# Altium PCB higgs.PcbDoc (part 14 of 25) (continued)
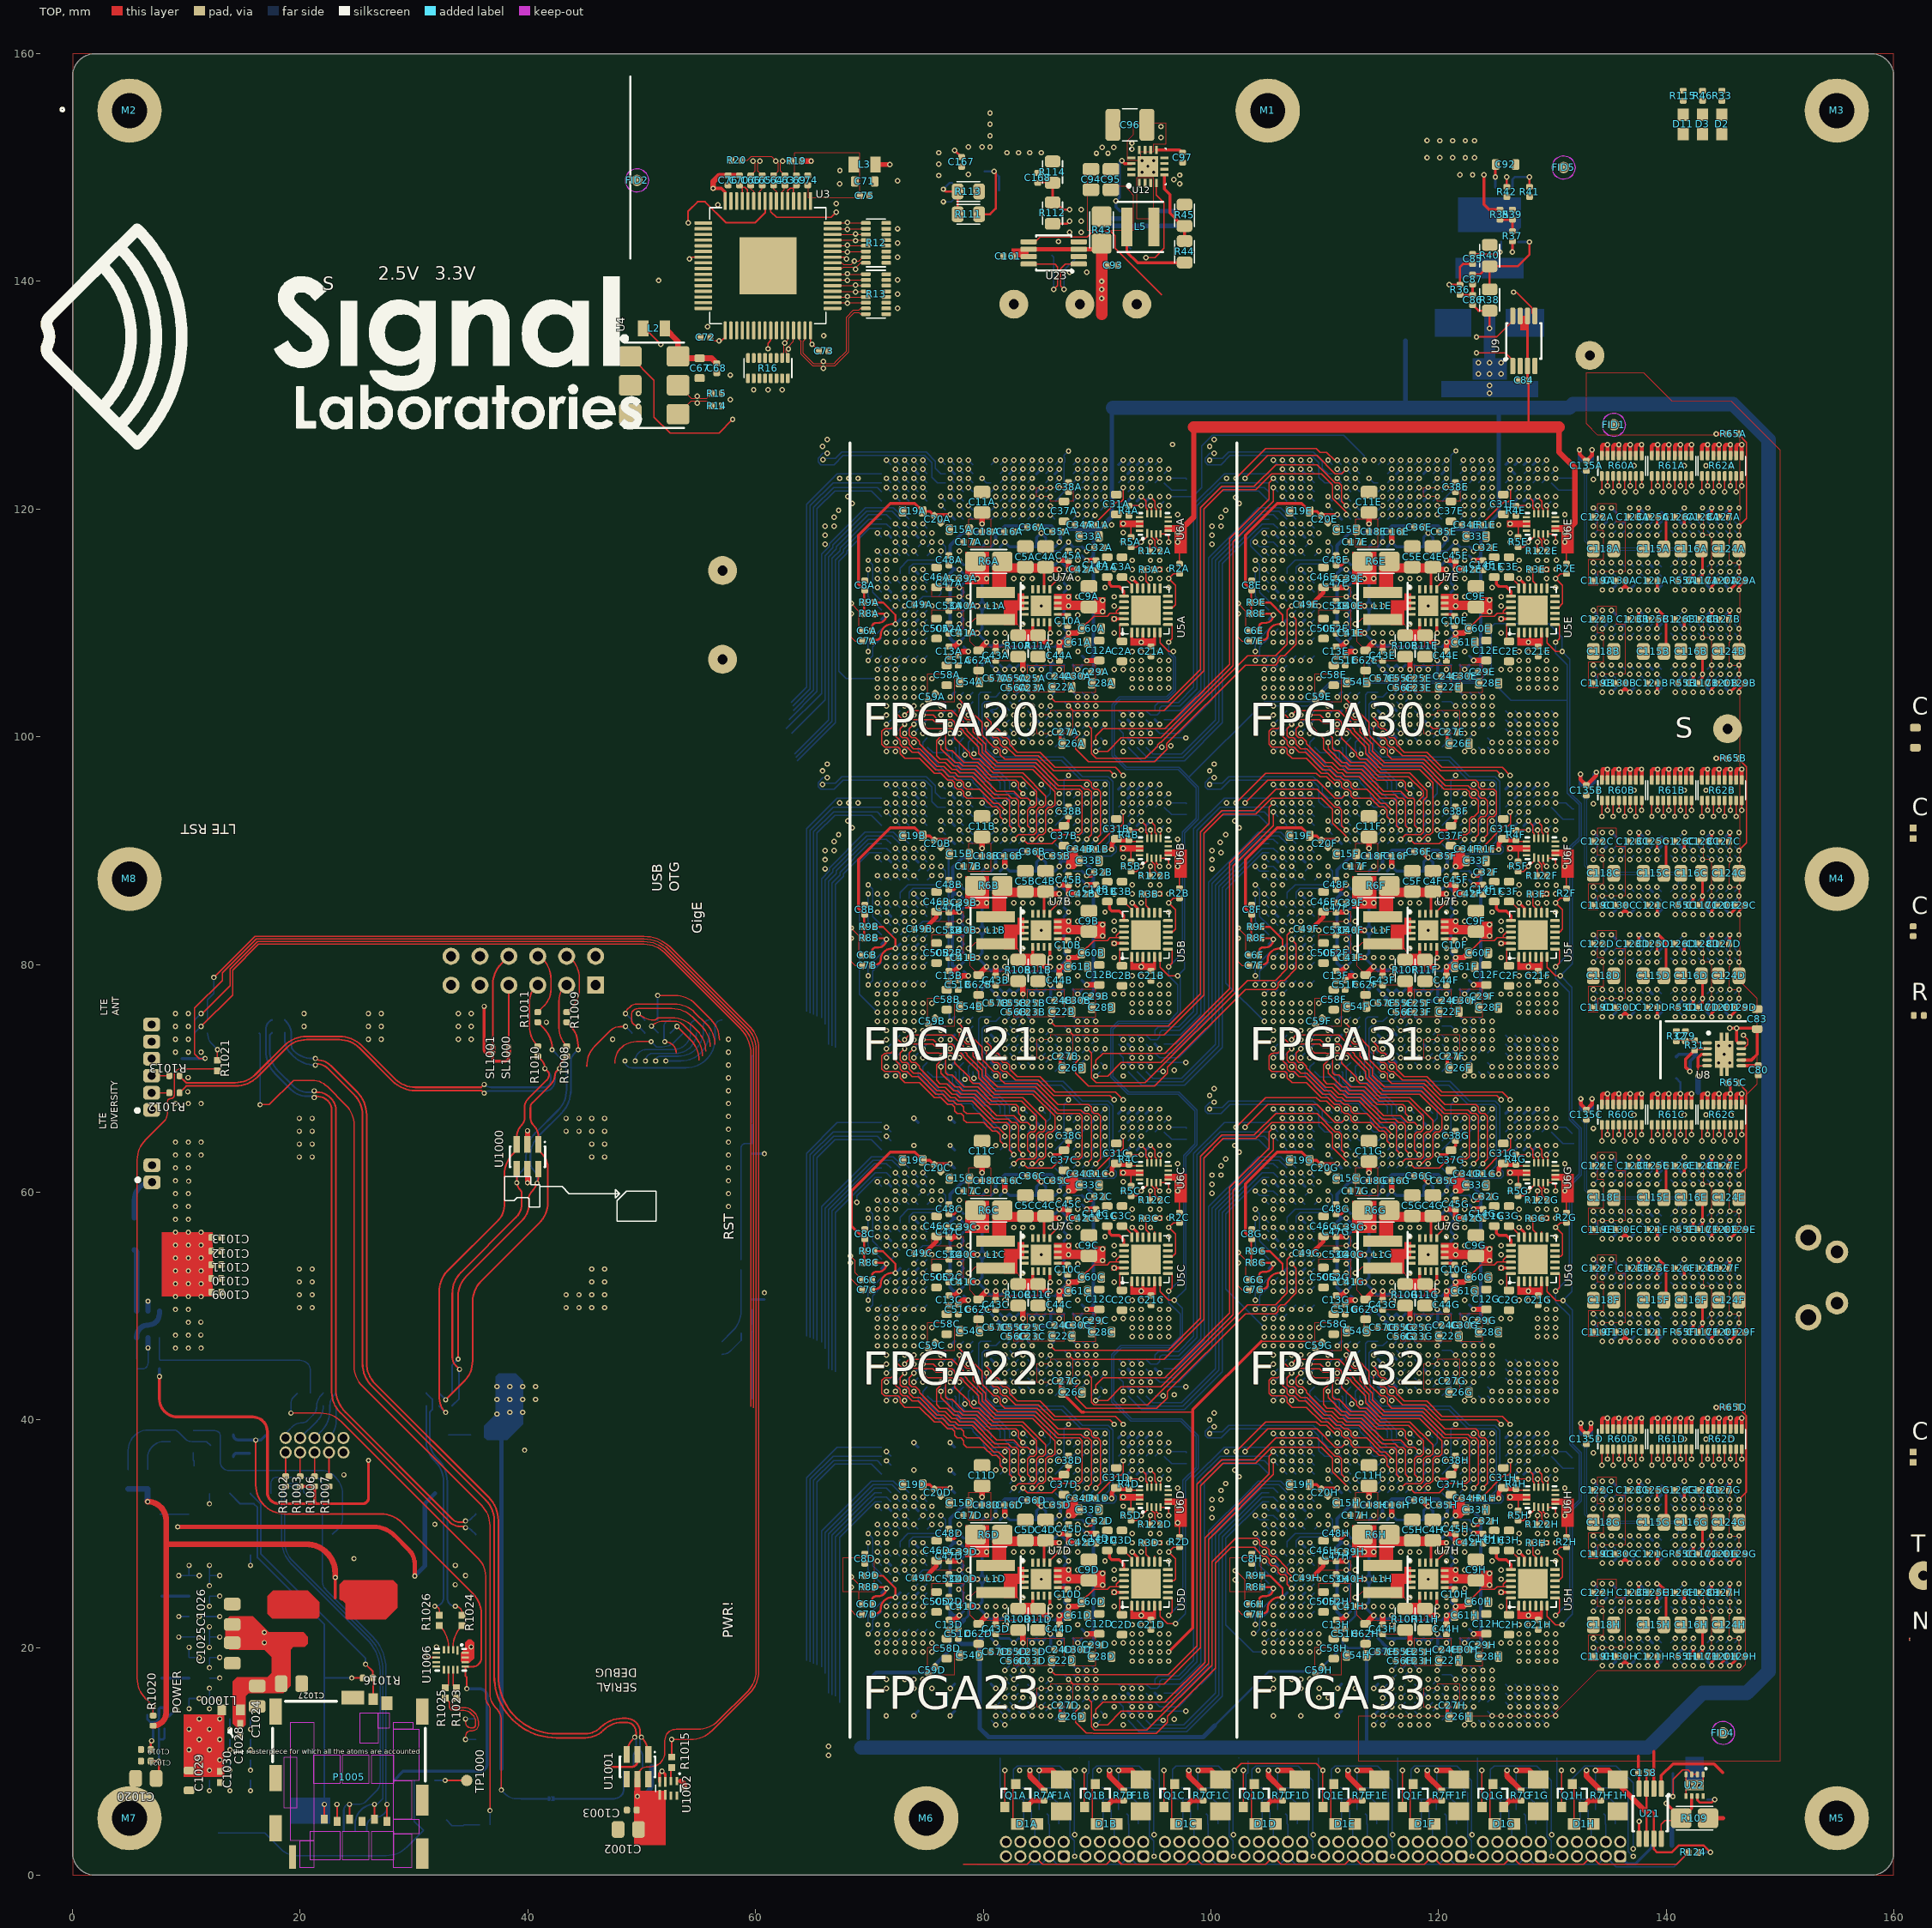
[diagram p0: TOP view]
## Nets (pads, with @x,y where several pads share a name; then routed paths per layer and width w, separated by ;. In a path a pad name is that pad's centre, name@x,y a point inside that pad or via, vN(x,y) a via of type N, cw(c..) or ccw(c..) an arc to the next point about the centre after c; other vN are vias at no path point) (continued)
  BOT w0.102: v1(71.5,52.1) U1C.B19@71.9,52.5 ; U1D.V7@84.7,33.6 v1(85.1,34)
IL12_22.TB.G13.D1_P: U1C.A19 U1D.V6 | length 29.6
  S5(V) w0.102: v1(69.9,50.5) 70.3,50.1 70.3,49.601 ; 70.301,49.6 70.301,48.735 70.536,48.499 70.865,48.499 71.101,48.264 71.101,47.935 71.335,47.701 71.664,47.701 71.899,47.465 71.899,46.336 72.135,46.101 72.464,46.101 72.7,45.864 72.7,45.7 ; 72.701,45.7 72.701,45.535 72.936,45.299 73.265,45.299 73.499,45.065 73.499,42.336 73.779,42.057 74.157,42.057 76.701,39.513 76.701,37.835 76.936,37.599 80.065,37.599 80.561,37.104 81.392,37.104 81.696,36.799 82.065,36.799 82.301,36.564 82.301,36.235 82.536,35.999 82.865,35.999 83.101,35.764 83.101,35.435 83.335,35.201 84.464,35.201 84.864,34.8 v1(85.1,34.8)
  BOT w0.102: v1(69.9,50.5) 69.9,51.3 U1C.A19@71.1,52.5 ; U1D.V6@84.7,34.4 v1(85.1,34.8)
IL12_22.TB.G13.D2_N: U1C.D19 U1D.W1 | length 23.8
  S5(V) w0.102: v1(73.1,52.1) 73.501,51.699 74.065,51.699 74.3,51.464 74.3,51.136 74.535,50.901 76.306,50.901 77.501,49.706 77.501,41.304 78.108,40.696 79.815,40.696 80.843,39.668 84.232,39.668 v1(85.1,38.8)
  BOT w0.102: v1(73.1,52.1) U1C.D19@73.5,52.5 ; v1(85.1,38.8) U1D.W1@85.5,38.4
IL12_22.TB.G13.D2_P: U1C.C19 U1D.V1 | length 24.5
  S5(V) w0.102: v1(72.3,52.1) 71.9,51.7 71.9,50.336 72.135,50.101 72.464,50.101 72.699,49.865 72.699,49.537 73.5,48.736 73.5,46.8 ; 73.501,46.799 73.501,46.335 73.735,46.101 74.064,46.101 74.299,45.865 74.299,45.7 74.301,45.698 74.301,45.535 74.536,45.299 74.865,45.299 75.291,44.873 75.291,41.785 77.877,39.199 79.327,39.199 80.623,37.904 82.192,37.904 82.495,37.601 83.901,37.601 v1(84.3,38)
  BOT w0.102: v1(72.3,52.1) U1C.C19@72.7,52.5 ; v1(84.3,38) U1D.V1@84.7,38.4
IL12_22.TB.G13.D3_N: U1C.F19 U1D.AE4 | length 29.4
  S5(V) w0.102: v1(74.7,52.1) 75.969,52.1 77.969,50.1 78.864,50.1 79.099,49.865 79.099,43.775 79.785,43.09 79.785,41.589 81.096,40.278 85.608,40.278 86.301,39.585 86.301,37.835 86.536,37.599 86.865,37.599 87.664,36.801 88.298,36.801 88.3,36.799 88.465,36.799 89.264,36.001 90.301,36.001 v1(90.7,36.4)
  BOT w0.102: v1(74.7,52.1) U1C.F19@75.1,52.5 ; U1D.AE4@90.3,36 v1(90.7,36.4)
IL12_22.TB.G13.D3_P: U1C.E19 U1D.AE5 | length 32.2
  S5(V) w0.102: v1(73.9,52.1) 74.299,52.499 76.001,52.499 77.599,50.901 79.095,50.901 79.596,50.4 79.596,43.709 80.09,43.216 80.09,41.715 81.222,40.582 86.018,40.582 87.1,39.5 87.1,37.836 87.336,37.599 88.465,37.599 88.699,37.365 88.699,37.2 88.701,37.198 88.701,37.035 88.935,36.801 89.217,36.801 ; v1(90.7,35.6) 91.099,35.999 91.099,36.565 90.865,36.799 90.301,36.799 90.3,36.8 89.218,36.8 ; 89.217,36.801 89.218,36.8
  BOT w0.102: v1(73.9,52.1) U1C.E19@74.3,52.5 ; U1D.AE5@90.3,35.2 v1(90.7,35.6)
IL12_22.TB.G13.D4_N: U1C.C20 U1D.U1 | length 21.6
  S5(V) w0.102: v1(72.3,51.3) 72.3,51.064 72.699,50.665 72.699,50.401 73.001,50.099 73.265,50.099 73.499,49.865 73.499,49.168 74.299,48.368 74.299,48.001 ; 74.3,48 74.3,46.664 75.596,45.368 75.596,41.911 78.003,39.504 79.454,39.504 80.557,38.401 83.101,38.401 v1(83.5,38.8)
  BOT w0.102: v1(72.3,51.3) U1C.C20@72.7,51.7 ; v1(83.5,38.8) U1D.U1@83.9,38.4
IL12_22.TB.G13.D4_P: U1C.A20 U1D.T1 | length 28.6
  S5(V) w0.102: v1(69.9,49.7) 69.501,50.099 69.501,50.665 71.335,52.499 72.465,52.499 72.699,52.265 72.699,51.096 73.504,50.291 74.673,50.291 75.901,49.064 75.901,42.037 78.129,39.809 79.58,39.809 80.589,38.8 v1(82.7,38.8)
  BOT w0.102: v1(69.9,49.7) 70.3,50.1 70.3,50.9 U1C.A20@71.1,51.7 ; v1(82.7,38.8) U1D.T1@83.1,38.4
IL12_22.TB.G13.D5_N: U1C.F20 U1D.AE6 | length 32.2
  S5(V) w0.102: v1(74.7,51.3) 76.338,51.3 78.3,49.338 78.3,42.4 78.001,42.101 78.001,41.235 78.235,41.001 79.942,41.001 80.97,39.973 85.482,39.973 85.996,39.458 85.996,37.708 86.302,37.402 86.302,37.367 86.301,37.365 86.301,37.035 86.535,36.801 86.702,36.801 ; 86.702,36.799 86.865,36.799 87.099,36.565 87.099,34.901 87.599,34.401 89.265,34.401 89.499,34.635 89.499,34.964 89.735,35.199 90.098,35.199 90.1,35.201 90.299,35.201 v1(90.7,34.8)
  BOT w0.102: v1(74.7,51.3) U1C.F20@75.1,51.7 ; U1D.AE6@90.3,34.4 v1(90.7,34.8)
IL12_22.TB.G13.D5_P: U1C.D20 U1D.AD6 | length 32.2
  S5(V) w0.102: v1(73.1,51.3) 73.336,51.3 74.039,50.596 75.635,50.596 76.701,49.53 76.701,41.668 77.978,40.391 79.689,40.391 80.717,39.363 83.972,39.363 85.501,37.835 85.501,37.035 85.736,36.799 86.065,36.799 86.299,36.565 86.299,34.901 87.599,33.601 89.301,33.601 89.501,33.801 89.501,34.165 89.9,34.564 v1(89.9,34.8)
  BOT w0.102: v1(73.1,51.3) U1C.D20@73.5,51.7 ; U1D.AD6@89.5,34.4 v1(89.9,34.8)
IL12_22.TB.G13.D6: U1C.C23 U1D.U4 | length 32.5
  S1(V) w0.102: v1(72.3,48.9) 71.899,48.499 71.335,48.499 71.1,48.264 71.1,45.495 70.491,44.887 70.491,42.944 71.335,42.101 73.262,42.101 75.901,39.462 75.901,38.635 76.936,37.599 77.265,37.599 77.501,37.364 77.501,37.035 77.735,36.801 78.864,36.801 80.701,34.964 80.701,34.635 80.935,34.401 86.176,34.401 86.299,34.524 86.299,35.765 86.064,36 ; v1(84.3,36.4) 84.699,36.001 86.064,36.001 ; 85.5,36 86.064,36
  BOT w0.102: v1(72.3,48.9) U1C.C23@72.7,49.3 ; U1D.U4@83.9,36 v1(84.3,36.4)
IL12_30.LR.G0.D0_N: U1E.D28 U1F.T7 | length 30.8
  TOP w0.102: v1(107.1,101.9) 107.499,102.299 108.699,102.299 ; 108.7,102.3 110.5,102.3 ; 110.501,102.299 111.265,102.299 112.064,101.501 112.299,101.265 112.299,100.937 112.604,100.632 112.604,100.523 113.904,99.223 113.904,98.64 115.126,97.418 118.477,97.418 120.496,95.399 122.465,95.399 122.699,95.165 122.699,94.837 122.936,94.599 123.265,94.599 123.499,94.365 123.499,93.349 123.149,92.999 122.935,92.999 122.701,92.765 122.701,92.677 122.699,92.675 122.699,91.635 122.465,91.401 122.136,91.401 121.72,90.985 120.449,90.985 120.065,90.601 117.899,90.601 v1(117.5,91)
  BOT w0.102: v1(107.1,101.9) U1E.D28@107.5,102.3 ; U1F.T7@117.1,90.6 v1(117.5,91)
IL12_30.LR.G0.D0_P: U1E.C28 U1F.R7 | length 23.1
  TOP w0.102: v1(106.3,101.9) 106.536,101.9 106.935,101.501 108.699,101.501 ; 108.7,101.5 109.569,101.5 109.873,101.196 110.399,101.196 110.895,100.701 111.264,100.701 111.501,100.464 111.501,99.864 112.801,98.564 112.801,98.335 113.108,98.028 113.654,98.028 114.873,96.809 117.487,96.809 119.004,95.292 119.004,94.708 118.699,94.404 118.699,91.635 118.464,91.4 117.1,91.4 v1(116.7,91)
  BOT w0.102: v1(106.3,101.9) U1E.C28@106.7,102.3 ; U1F.R7@116.3,90.6 v1(116.7,91)
IL12_30.LR.G0.D1_N: U1E.C30 U1F.P4 | length 14.2
  TOP w0.102: v1(106.3,100.3) 106.3,100.064 106.699,99.665 106.699,99.337 106.935,99.101 107.304,99.101 107.767,98.638 108.305,98.638 109.838,97.105 110.422,97.105 111.023,96.504 111.392,96.504 111.696,96.199 112.065,96.199 112.301,95.964 112.301,95.635 112.535,95.401 113.695,95.401 114.926,94.169 115.326,94.169 115.9,93.595 v1(115.9,93.4)
  BOT w0.102: v1(106.3,100.3) U1E.C30@106.7,100.7 ; U1F.P4@115.5,93 v1(115.9,93.4)
IL12_30.LR.G0.D1_P: U1E.C29 U1F.P5 | length 18.2
  TOP w0.102: v1(106.3,101.1) 106.298,101.1 105.899,100.701 105.501,100.701 105.499,100.699 105.335,100.699 105.101,100.465 105.101,99.665 105.101,99.335 105.335,99.101 106.504,99.101 106.7,98.905 106.7,98.534 107.134,98.1 108.411,98.1 109.711,96.8 110.295,96.8 110.896,96.199 111.265,96.199 111.501,95.964 111.501,95.635 111.736,95.399 112.065,95.399 112.299,95.165 112.299,94.837 112.535,94.601 114.064,94.601 114.8,93.864 115.2,93.864 115.499,93.565 115.499,93.001 v1(115.9,92.6)
  BOT w0.102: v1(106.3,101.1) U1E.C29@106.7,101.5 ; U1F.P5@115.5,92.2 v1(115.9,92.6)
IL12_30.LR.G0.D2_N: U1E.E29 U1F.T6 | length 17.1
  TOP w0.102: v1(107.9,101.1) 107.501,100.701 107.501,100.135 107.735,99.901 108.064,99.901 108.4,99.564 108.4,99.405 110.09,97.714 110.674,97.714 111.275,97.114 111.644,97.114 111.949,96.809 113.149,96.809 115.054,94.904 116.192,94.904 116.496,94.599 116.865,94.599 117.099,94.365 117.099,92.201 v1(117.5,91.8)
  BOT w0.102: v1(107.9,101.1) U1E.E29@108.3,101.5 ; U1F.T6@117.1,91.4 v1(117.5,91.8)
IL12_30.LR.G0.D2_P: U1E.D29 U1F.R6 | length 17.2
  TOP w0.102: v1(107.1,101.1) 106.701,100.701 106.701,100.1 106.902,99.899 107.265,99.899 107.499,99.665 107.499,99.336 107.893,98.942 108.431,98.942 109.964,97.41 110.548,97.41 111.149,96.809 111.518,96.809 111.823,96.504 113.023,96.504 114.927,94.599 116.065,94.599 116.299,94.365 116.299,92.201 v1(116.7,91.8)
  BOT w0.102: v1(107.1,101.1) U1E.D29@107.5,101.5 ; U1F.R6@116.3,91.4 v1(116.7,91.8)
IL12_30.LR.G0.D3_N: U1E.F28 U1F.U7 | length 20.8
  TOP w0.102: v1(108.7,101.9) 109.6,101.9 109.999,101.501 110.6,101.501 110.602,101.499 111.265,101.499 111.499,101.265 111.499,101.101 111.501,101.099 111.501,100.935 111.735,100.701 112.064,100.701 112.299,100.465 112.299,100.396 113.599,99.096 113.599,98.514 114.999,97.114 118.351,97.114 119.499,95.965 119.499,91.635 119.265,91.401 118.936,91.401 118.536,91 v1(118.3,91)
  BOT w0.102: v1(108.7,101.9) U1E.F28@109.1,102.3 ; U1F.U7@117.9,90.6 v1(118.3,91)
IL12_30.LR.G0.D3_P: U1E.F29 U1F.U6 | length 16.3
  TOP w0.102: v1@108.663,101.088 109.901,99.849 109.901,98.919 111.401,97.418 111.77,97.418 112.075,97.114 113.275,97.114 115.18,95.209 116.687,95.209 117.295,94.601 117.774,94.601 117.9,94.475 117.9,92.225 v1@118.2,91.925
  BOT w0.102: v1(108.7,101.1) U1E.F29@109.1,101.5 ; U1F.U6@117.9,91.4 v1(118.3,91.8)
IL12_30.LR.G0.D4_N: U1E.D31 U1F.U5 | length 16.3
  S2(H) w0.102: v1(107.1,99.5) 107.499,99.899 109.227,99.899 110.245,98.881 110.723,98.881 111.908,97.696 112.577,97.696 112.782,97.491 113.549,97.491 114.263,96.777 115.159,96.777 117.2,94.736 117.336,94.599 117.665,94.599 117.899,94.365 117.899,93.003 118.3,92.602 v1(118.3,92.6)
  BOT w0.102: v1(107.1,99.5) U1E.D31@107.5,99.9 ; U1F.U5@117.9,92.2 v1(118.3,92.6)
IL12_30.LR.G0.D4_P: U1E.D30 U1F.T4 | length 15.9
  S2(H) w0.102: v1(107.1,100.3) 106.7,99.9 106.7,99.336 106.935,99.101 109.595,99.101 110.119,98.576 110.597,98.576 111.782,97.391 112.451,97.391 112.656,97.187 113.423,97.187 115.705,94.904 116.596,94.904 117.101,94.399 117.101,94.035 117.5,93.636 v1(117.5,93.4)
  BOT w0.102: v1(107.1,100.3) U1E.D30@107.5,100.7 ; U1F.T4@117.1,93 v1(117.5,93.4)
IL12_30.LR.G0.S_N: U1E.C31 U1F.T5 | length 17
  S2(H) w0.102: v1(106.3,99.5) 105.899,99.099 105.899,98.332 106.726,97.505 111.238,97.505 112.543,96.199 112.865,96.199 113.292,95.773 113.96,95.773 115.134,94.599 116.065,94.599 116.301,94.364 116.301,94.035 116.535,93.801 116.864,93.801 117.101,93.564 117.101,93.001 117.5,92.602 v1(117.5,92.6)
  BOT w0.102: v1(106.3,99.5) U1E.C31@106.7,99.9 ; U1F.T5@117.1,92.2 v1(117.5,92.6)
IL12_30.LR.G0.S_P: U1E.B32 U1F.R4 | length 15
  S2(H) w0.102: v1(105.5,98.7) 105.5,98.3 106.6,97.2 111.111,97.2 112.299,96.012 112.299,95.601 112.499,95.401 113.901,95.401 115.501,93.801 115.999,93.801 116.001,93.799 116.065,93.799 116.464,93.4 v1(116.7,93.4)
  BOT w0.102: v1(105.5,98.7) U1E.B32@105.9,99.1 ; U1F.R4@116.3,93 v1(116.7,93.4)
IL12_30.LR.G1.D0_N: U1E.E32 U1F.P3 | length 10
  BOT w0.102: U1E.E32@108.3,99.1 108.3,98.774 110.802,96.272 112.966,96.272 113.119,96.119 113.119,95.985 114.002,95.102 114.002,94.798 114.299,94.501 114.299,94.3 114.399,94.2 114.866,94.2 115.265,93.8 U1F.P3@115.5,93.8
IL12_30.LR.G1.D0_P: U1E.F31 U1F.P2 | length 9.8
  BOT w0.102: U1E.F31@109.1,99.9 108.7,99.5 108.7,98.935 111.058,96.577 113.092,96.577 113.434,96.234 113.434,96.1 114.534,95 115.1,95 U1F.P2@115.5,94.6
IL12_30.LR.G1.D1_N: U1E.H32 U1F.P1 | length 7
  BOT w0.102: U1E.H32@110.7,99.1 110.742,99.1 111.291,98.552 111.291,98.083 112.187,97.187 113.345,97.187 114.145,96.386 115.114,96.386 115.5,96 U1F.P1@115.5,95.4
IL12_30.LR.G1.D1_P: U1E.F32 U1F.N1 | length 7.6
  BOT w0.102: U1E.F32@109.1,99.1 109.594,98.606 110.806,98.606 110.986,98.426 110.986,97.957 112.061,96.882 113.218,96.882 114.019,96.081 114.419,96.081 114.7,95.8 U1F.N1@114.7,95.4
IL12_30.LR.G1.D2_N: U1E.H30 U1F.U3 | length 13.2
  TOP w0.102: v1@110.288,100.313 110.699,99.901 110.699,98.983 110.883,98.799 111.252,98.799 112.328,97.723 113.528,97.723 114.747,96.504 117.361,96.504 118.632,95.232 118.699,95.165 118.699,94.835 118.3,94.436 v1@118.3,94.3
  BOT w0.102: v1(110.3,100.3) U1E.H30@110.7,100.7 ; U1F.U3@117.9,93.8 v1(118.3,94.2)
IL12_30.LR.G1.D2_P: U1E.H31 U1F.U2 | length 10.8
  TOP w0.102: v1(110.3,99.5) 110.3,98.951 111.528,97.723 111.897,97.723 112.201,97.418 113.401,97.418 114.621,96.199 116.865,96.199 117.099,95.965 117.099,95.401 v1(117.5,95)
  BOT w0.102: v1(110.3,99.5) U1E.H31@110.7,99.9 ; v1(117.5,95) U1F.U2@117.9,94.6
IL12_30.LR.G1.D3_N: U1E.K30 U1F.T3 | length 12
  S6(H) w0.102: v1(111.9,100.3) 111.9,98.336 112.235,98.001 112.704,98.001 113.318,97.387 113.451,97.387 114.257,96.581 117.284,96.581 117.899,95.965 117.899,94.599 v1(117.5,94.2)
  BOT w0.102: v1(111.9,100.3) U1E.K30@112.3,100.7 ; U1F.T3@117.1,93.8 v1(117.5,94.2)
IL12_30.LR.G1.D3_P: U1E.J30 U1F.R3 | length 11.8
  S6(H) w0.102: v1(111.1,100.3) 111.595,99.805 111.595,98.209 112.108,97.696 112.577,97.696 113.192,97.082 113.325,97.082 114.131,96.276 116.887,96.276 117.1,96.063 117.1,94.6 v1(116.7,94.2)
  BOT w0.102: v1(111.1,100.3) U1E.J30@111.5,100.7 ; U1F.R3@116.3,93.8 v1(116.7,94.2)
IL12_30.LR.G1.D4_N: U1E.L32 U1F.Y3 | length 10.8
  S6(H) w0.102: v1(113.2,98.5) 114.51,97.19 118.274,97.19 120.301,95.164 120.301,94.599 v1(120.7,94.2)
  BOT w0.102: U1E.L32@113.1,99.1 113.1,98.695 113.104,98.692 113.104,98.596 v1(113.2,98.5) ; U1F.Y3@120.3,93.8 v1(120.7,94.2)
IL12_30.LR.G1.D4_P: U1E.K32 U1F.W3 | length 10.8
  S6(H) w0.102: v1(112.4,98.4) 112.736,98.4 113.444,97.691 113.578,97.691 114.383,96.886 117.6,96.886 118.204,96.282 118.204,95.896 v1(119.9,94.2)
  BOT w0.102: U1E.K32@112.3,99.1 112.3,98.5 v1(112.4,98.4) ; U1F.W3@119.5,93.8 v1(119.9,94.2)
IL12_30.LR.G1.S_N: U1E.J32 U1F.T2 | length 8.4
  BOT w0.102: U1E.J32@111.5,99.1 111.595,99.005 111.595,98.209 112.313,97.491 113.471,97.491 114.272,96.69 115.241,96.69 115.9,96.031 115.9,95.235 116.135,95 116.7,95 U1F.T2@117.1,94.6
IL12_30.LR.G1.S_P: U1E.K31 U1F.R1 | length 7.7
  BOT w0.102: U1E.K31@112.3,99.9 111.9,99.5 111.9,98.335 112.439,97.796 113.597,97.796 114.398,96.995 115.367,96.995 116.3,96.062 U1F.R1@116.3,95.4
IL12_30.LR.G2.D0_N: U1E.K26 U1F.AD7 | length 24.1
  TOP w0.102: v1(111.9,103.5) 111.9,103.264 112.301,102.864 112.301,102.535 112.535,102.301 112.798,102.301 112.8,102.299 112.865,102.299 113.901,101.264 113.901,100.135 114.935,99.101 115.264,99.101 115.501,98.864 115.501,98.427 115.9,98.028 118.73,98.028 120.558,96.2 123.264,96.2 123.501,95.964 123.501,95.635 123.735,95.401 124.064,95.401 124.065,95.399 124.865,95.399 125.099,95.165 125.099,93.235 124.865,93.001 124.536,93.001 124.299,92.764 124.299,91.401 123.9,91.002 v1(123.9,91)
  BOT w0.102: v1(111.9,103.5) U1E.K26@112.3,103.9 ; U1F.AD7@123.5,90.6 v1(123.9,91)
IL12_30.LR.G2.D0_P: U1E.K27 U1F.AC7 | length 22.4
  TOP w0.102: v1(111.9,102.7) 111.9,102.136 112.535,101.501 112.864,101.501 113.099,101.265 113.099,100.458 114.209,99.349 114.209,98.766 115.252,97.723 118.603,97.723 120.623,95.704 122.592,95.704 122.896,95.399 123.265,95.399 123.499,95.165 123.499,94.836 123.736,94.599 124.065,94.599 124.299,94.365 124.299,93.235 124.065,93.001 123.736,93.001 123.501,92.765 123.501,92.552 123.499,92.55 123.499,91.399 v1(123.1,91)
  BOT w0.102: v1(111.9,102.7) U1E.K27@112.3,103.1 ; U1F.AC7@122.7,90.6 v1(123.1,91)
IL12_30.LR.G2.D1_N: U1E.L29 U1F.W5 | length 33.1
  S1(V) w0.102: v1(112.7,101.1) 113.099,101.499 113.099,102.865 112.865,103.099 110.135,103.099 109.335,102.3 105.335,102.3 104.796,101.761 104.796,100.4 105.297,99.899 107.265,99.899 107.499,99.665 107.499,99.336 108.045,98.79 108.29,98.79 110.701,96.379 110.701,95.635 110.935,95.401 111.264,95.401 111.499,95.165 111.499,94.835 111.733,94.601 112.935,94.601 113.236,94.3 113.236,93.86 114.896,92.199 119.499,92.199 v1(119.9,92.6)
  BOT w0.102: v1(112.7,101.1) U1E.L29@113.1,101.5 ; U1F.W5@119.5,92.2 v1(119.9,92.6)
IL12_30.LR.G2.D1_P: U1E.K28 U1F.Y5 | length 21.7
  S1(V) w0.102: v1(112.7,101.9) 111.9,101.9 111.501,101.501 110.936,101.501 110.701,101.265 110.701,100.935 110.936,100.699 111.265,100.699 111.499,100.465 111.499,98.737 112.439,97.796 113.606,97.796 114.212,97.19 120.91,97.19 v1(121.5,96.6)
  BOT w0.102: U1E.K28@112.3,102.3 v1(112.7,101.9) ; U1F.Y5@120.3,92.2 121.1,93 121.1,96.2 v1(121.5,96.6)
IL12_30.LR.G2.D2_N: U1E.N26 U1F.Y6 | length 29.4
  BOT w0.102: U1E.N26@114.7,103.9 113.8,103.9 113.596,103.696 113.596,100.808 113.995,100.409 113.995,98.808 114.894,97.91 120.89,97.91 122.601,96.199 124.865,96.199 125.099,95.965 125.099,90.834 124.271,90.006 123.6,90.006 123.595,90.011 121.689,90.011 U1F.Y6@120.3,91.4
IL12_30.LR.G2.D2_P: U1E.N27 U1F.Y7 | length 29.4
  BOT w0.102: U1E.N27@114.7,103.1 114.136,103.1 113.901,102.865 113.901,100.935 114.3,100.535 114.3,98.934 115.02,98.214 121.017,98.214 122.727,96.504 124.992,96.504 125.404,96.092 125.404,90.561 125.699,90.265 125.699,89.935 125.465,89.701 123.474,89.701 123.468,89.706 121.194,89.706 U1F.Y7@120.3,90.6
IL12_30.LR.G2.D3_N: U1E.P26 U1F.AC6 | length 20.6
  S6(H) w0.102: v1(114.3,103.5) 113.596,102.796 113.596,99.535 115.026,98.105 119.391,98.105 122.096,95.399 122.465,95.399 122.699,95.165 122.699,92.201 v1(123.1,91.8)
  BOT w0.102: v1(114.3,103.5) 115.1,103.5 U1E.P26@115.5,103.9 ; U1F.AC6@122.7,91.4 v1(123.1,91.8)
IL12_30.LR.G2.D3_P: U1E.P27 U1F.AB7 | length 21.5
  S6(H) w0.102: v1(114.3,102.7) 113.901,102.301 113.901,100.135 114.935,99.101 116.2,99.101 116.891,98.41 120.255,98.41 122.701,95.964 122.701,95.635 122.935,95.401 123.265,95.401 123.499,95.167 123.499,91.635 123.265,91.401 122.701,91.401 v1(122.3,91)
  BOT w0.102: v1(114.3,102.7) 115.1,102.7 U1E.P27@115.5,103.1 ; U1F.AB7@121.9,90.6 v1(122.3,91)
IL12_30.LR.G2.D4_N: U1E.L27 U1F.W4 | length 17.4
  S6(H) w0.102: v1(112.7,102.7) 112.299,102.299 112.299,99.97 114.774,97.495 118.4,97.495 120.2,95.695 120.569,95.695 121.099,95.165 121.099,94.035 120.865,93.801 120.301,93.801 v1(119.9,93.4)
  BOT w0.102: v1(112.7,102.7) U1E.L27@113.1,103.1 ; U1F.W4@119.5,93 v1(119.9,93.4)
IL12_30.LR.G2.D4_P: U1E.L26 U1F.Y4 | length 18.2
  S6(H) w0.102: v1(112.7,103.5) 112.7,103.264 113.099,102.865 113.099,99.601 114.9,97.8 118.527,97.8 120.327,96 121.064,96 121.899,95.165 121.899,94.404 120.895,93.4 v1(120.7,93.4)
  BOT w0.102: v1(112.7,103.5) U1E.L26@113.1,103.9 ; U1F.Y4@120.3,93 v1(120.7,93.4)
IL12_30.LR.G2.S_N: U1E.N29 U1F.AB6 | length 27.9
  TOP w0.102: v1(114.3,101.9) 114.3,101.664 114.699,101.265 114.699,100.937 114.935,100.701 115.264,100.701 115.5,100.464 115.5,100.136 115.736,99.899 116.065,99.899 116.299,99.665 116.299,99.336 116.998,98.638 118.982,98.638 120.316,97.304 125.614,97.304 v1@126.309,96.609
  S6(H) w0.102: v1(122.3,91.8) 121.901,91.401 121.901,90.835 122.136,90.6 124.064,90.6 124.299,90.835 124.299,96.599 124.699,96.999 125.901,96.999 v1(126.3,96.6)
  BOT w0.102: v1(114.3,101.9) U1E.N29@114.7,101.5 ; U1F.AB6@121.9,91.4 v1(122.3,91.8)
IL12_30.LR.G2.S_P: U1E.N30 U1F.AB5 | length 26.5
  TOP w0.102: v1(114.3,101.1) 114.3,100.536 114.935,99.901 115.264,99.901 115.499,99.665 115.499,99.336 115.735,99.101 116.064,99.101 116.832,98.333 118.856,98.333 120.19,96.999 125.118,96.999 v1@125.509,96.609
  S6(H) w0.102: v1(122.3,92.6) 121.596,91.896 121.596,90.708 122.009,90.295 124.191,90.295 125.099,91.204 125.099,96.199 v1(125.5,96.6)
  BOT w0.102: v1(114.3,101.1) U1E.N30@114.7,100.7 ; U1F.AB5@121.9,92.2 v1(122.3,92.6)
IL12_30.LR.G3.D0_N: U1E.E30 U1F.AB4 | length 19.5
  S1(V) w0.102: v1(107.9,100.3) 107.9,100.18 108.395,99.685 108.395,99.116 111.501,96.011 111.501,95.635 111.736,95.4 113.416,95.4 115.017,93.799 120.065,93.799 120.301,93.564 120.301,93.235 120.535,93.001 121,93.001 121.399,93.4 v1(122.3,93.4)
  BOT w0.102: v1(107.9,100.3) U1E.E30@108.3,100.7 ; U1F.AB4@121.9,93 v1(122.3,93.4)
IL12_30.LR.G3.D0_P: U1E.F30 U1F.AB3 | length 18.4
  S1(V) w0.102: v1(108.7,100.3) 108.7,99.242 111.67,96.272 112.975,96.272 114.647,94.6 120.105,94.6 120.299,94.405 120.299,94.3 120.301,94.298 120.301,94.035 120.535,93.801 120.998,93.801 121,93.799 121.899,93.799 v1(122.3,94.2)
  BOT w0.102: v1(108.7,100.3) U1E.F30@109.1,100.7 ; U1F.AB3@121.9,93.8 v1(122.3,94.2)
IL12_30.LR.G3.D1_N: U1E.D32 U1F.AD4 | length 23.9
  S1(V) w0.102: v1(107.099,98.699) 108.998,96.8 108.998,96.497 109.404,96.092 109.404,95.292 110.896,93.799 111.265,93.799 111.499,93.565 111.499,93.302 111.501,93.3 111.501,93.235 111.735,93.001 112.495,93.001 115.091,90.405 120.255,90.405 121.596,91.746 121.596,92.092 121.901,92.396 121.901,92.765 122.135,92.999 122.464,92.999 122.864,93.4 v1(123.9,93.4)
  BOT w0.102: v1(107.099,98.699) U1E.D32@107.5,99.1 ; U1F.AD4@123.5,93 v1(123.9,93.4)
IL12_30.LR.G3.D1_P: U1E.C32 U1F.AC5 | length 23.8
  S1(V) w0.102: v1@106.299,98.699 106.365,98.699 108.299,96.765 108.299,95.637 108.536,95.399 108.865,95.399 110.394,93.87 110.394,93.501 110.895,93 111.264,93 111.501,92.764 111.501,92.435 111.735,92.201 112.864,92.201 114.964,90.1 120.381,90.1 121.901,91.62 121.901,91.965 122.135,92.199 122.699,92.199 v1(123.1,92.6)
  BOT w0.102: v1@106.299,98.699 U1E.C32@106.7,99.1 ; U1F.AC5@122.7,92.2 v1(123.1,92.6)
  other v1: 106.3,98.7
IL12_30.LR.G3.D2_N: U1E.L30 U1F.Y1 | length 10.6
  BOT w0.102: U1E.L30@113.1,100.7 113.5,100.3 113.5,99 113.691,98.809 113.691,98.609 114.695,97.605 118.695,97.605 120.3,96 U1F.Y1@120.3,95.4
IL12_30.LR.G3.D2_P: U1E.L31 U1F.W2 | length 11.4
  BOT w0.102: U1E.L31@113.1,99.9 112.7,99.5 112.7,98.9 112.795,98.805 112.795,98.569 112.799,98.565 112.799,98.337 113.035,98.101 113.768,98.101 114.569,97.3 118.569,97.3 119.9,95.969 119.9,95 U1F.W2@119.5,94.6
IL12_30.LR.G3.D3_N: U1E.K29 U1F.AE3 | length 19.6
  S1(V) w0.102: v1(111.9,101.1) 112.136,101.1 113.264,99.971 113.264,99 114.464,97.8 123.695,97.8 125.404,96.092 125.404,94.668 124.936,94.2 v1(124.7,94.2)
  BOT w0.102: v1(111.9,101.1) U1E.K29@112.3,101.5 ; U1F.AE3@124.3,93.8 v1(124.7,94.2)
IL12_30.LR.G3.D3_P: U1E.J29 U1F.AD3 | length 20.9
  S1(V) w0.102: v1(111.1,101.1) 111.336,101.1 111.736,100.7 112.105,100.7 112.799,100.005 112.799,98.3 112.998,98.101 113.732,98.101 114.338,97.495 123.569,97.495 125.099,95.965 125.099,94.835 124.864,94.6 124.3,94.6 v1(123.9,94.2) v1@123.9,94.202
  BOT w0.102: v1(111.1,101.1) U1E.J29@111.5,101.5 ; U1F.AD3@123.5,93.8 v1(123.9,94.2)
IL12_30.LR.G3.D4_N: U1E.H28 U1F.AE2 | length 20.3
  S1(V) w0.102: v1(110.3,101.9) 110.3,100.864 110.699,100.465 110.699,99.105 112.313,97.491 113.48,97.491 114.086,96.886 120.65,96.886 121.335,96.201 121.665,96.201 121.937,96.472 123.792,96.472 124.299,95.965 124.299,95.801 124.301,95.799 124.301,95.401 124.7,95.002 v1(124.7,95)
  BOT w0.102: v1(110.3,101.9) U1E.H28@110.7,102.3 ; U1F.AE2@124.3,94.6 v1(124.7,95)
IL12_30.LR.G3.D4_P: U1E.H27 U1F.AC2 | length 19.7
  S1(V) w0.102: v1(110.3,102.7) 109.901,102.301 109.901,99.335 112.049,97.187 113.354,97.187 113.959,96.581 120.524,96.581 121.208,95.896 122.204,95.896 v1(123.1,95)
  BOT w0.102: v1(110.3,102.7) U1E.H27@110.7,103.1 ; U1F.AC2@122.7,94.6 v1(123.1,95)
IL12_30.LR.G3.S_N: U1E.B30 U1F.AB2 | length 23.4
  S1(V) w0.102: v1(105.5,100.3) 105.101,100.699 105.101,101.265 105.335,101.499 106.299,101.499 106.3,101.5 109.292,101.5 109.596,101.196 109.596,99.208 111.923,96.882 113.227,96.882 113.833,96.276 120.397,96.276 121.082,95.591 121.709,95.591 v1(122.3,95)
  BOT w0.102: v1(105.5,100.3) U1E.B30@105.9,100.7 ; U1F.AB2@121.9,94.6 v1(122.3,95)
IL12_30.LR.G3.S_P: U1E.B29 U1F.AC3 | length 22.3
  S1(V) w0.102: v1(105.5,101.1) 105.9,100.7 108.864,100.7 109.099,100.465 109.099,99.274 111.797,96.577 113.101,96.577 114.277,95.401 119.735,95.401 120.535,94.601 120.798,94.601 120.8,94.599 122.701,94.599 v1(123.1,94.2)
  BOT w0.102: v1(105.5,101.1) U1E.B29@105.9,101.5 ; U1F.AC3@122.7,93.8 v1(123.1,94.2)
IL12_30.TB.G8.D0_N: U1E.B22 U1F.AH1 | length 30.4
  S2(H) w0.102: v1(105.5,106.7) 105.901,106.299 105.901,105.735 106.136,105.5 110.9,105.5 111.5,104.9 111.5,100.936 111.735,100.701 112.064,100.701 114.768,97.996 115.873,97.996 ; v1(127.1,95.8) 127.1,96.6 126.618,97.082 117.48,97.082 116.567,97.995 115.874,97.995 ; 115.873,97.996 115.874,97.995
  BOT w0.102: v1(105.5,106.7) U1E.B22@105.9,107.1
  BOT w0.254: U1F.AH1@126.7,95.4 v1(127.1,95.8)
IL12_30.TB.G8.D0_P: U1E.A22 U1F.AG1 | length 36.1
  S2(H) w0.102: v1(104.7,106.7) 104.3,106.3 104.3,104.936 104.536,104.699 104.865,104.699 105.099,104.465 105.099,104.136 105.336,103.899 105.665,103.899 105.899,103.665 105.899,103.601 105.901,103.599 105.901,103.335 106.135,103.101 109.095,103.101 109.596,102.6 109.596,100.808 109.901,100.504 109.901,100.135 110.136,99.899 110.465,99.899 110.699,99.665 110.699,99.336 112.035,98.001 112.704,98.001 112.908,97.796 113.675,97.796 114.39,97.082 115.3,97.082 ; v1(126.3,95.8) 126.395,95.705 126.631,95.705 126.936,95.399 127.265,95.399 127.499,95.165 127.499,95 127.499,94.035 127.265,93.801 126.135,93.801 125.901,94.035 125.901,94.099 125.899,94.101 125.899,94.365 125.665,94.599 123.736,94.599 123.735,94.601 122.935,94.601 122.701,94.835 122.701,94.9 122.699,94.902 122.699,95.165 122.465,95.399 121.801,95.399 117.6,95.4 117.599,95.401 117.335,95.401 117.101,95.635 117.101,95.866 117.1,95.867 117.1,96.169 116.188,97.081 115.301,97.081 ; 115.3,97.082 115.301,97.081
  BOT w0.102: v1(104.7,106.7) U1E.A22@105.1,107.1
  BOT w0.254: U1F.AG1@125.9,95.4 v1(126.3,95.8)
IL12_30.TB.G8.D1_N: U1E.D22 U1F.AM2 | length 32.7
  S2(H) w0.102: v1(107.1,106.7) 107.499,107.099 111.025,107.099 113.901,104.223 113.901,103.4 113.901,101.9 113.901,101.265 113.901,100.935 114.135,100.701 116.864,100.701 117.099,100.465 117.099,99.187 117.985,98.301 127.899,98.301 130.3,95.9 v1(130.3,95)
  BOT w0.102: v1(107.1,106.7) U1E.D22@107.5,107.1 ; U1F.AM2@129.9,94.6 v1(130.3,95)
IL12_30.TB.G8.D1_P: U1E.C22 U1F.AL1 | length 32.1
  S2(H) w0.102: v1(106.3,106.7) 107.195,105.805 111.026,105.805 112.3,104.531 112.3,100.936 112.535,100.701 112.842,100.701 114.701,98.842 114.701,98.535 114.935,98.301 115.999,98.301 116,98.3 116.693,98.3 117.607,97.387 126.8,97.387 127.5,96.687 127.5,95.8 127.501,95.799 127.501,95.635 127.736,95.4 129.1,95.4 v1(129.5,95.8)
  BOT w0.102: v1(106.3,106.7) U1E.C22@106.7,107.1 ; U1F.AL1@129.1,95.4 v1(129.5,95.8)
IL12_30.TB.G8.D2_N: U1E.F22 U1F.AK1 | length 28.4
  S2(H) w0.102: v1(108.7,106.7) 110.993,106.7 113.596,104.097 113.596,100.808 114.504,99.901 116.064,99.901 116.299,99.665 116.299,99.337 116.726,98.91 116.946,98.91 117.859,97.996 127.604,97.996 128.7,96.9 v1(128.7,95.8)
  BOT w0.102: v1(108.7,106.7) U1E.F22@109.1,107.1
  BOT w0.254: U1F.AK1@128.3,95.4 v1(128.7,95.8)
IL12_30.TB.G8.D2_P: U1E.E22 U1F.AJ1 | length 28.4
  S2(H) w0.102: v1(107.9,106.7) 108.49,106.11 111.153,106.11 113.291,103.971 113.291,100.682 114.873,99.101 116.104,99.101 116.6,98.605 116.819,98.605 117.733,97.691 127.478,97.691 127.9,97.269 v1(127.9,95.8)
  BOT w0.102: v1(107.9,106.7) U1E.E22@108.3,107.1
  BOT w0.254: U1F.AJ1@127.5,95.4 v1(127.9,95.8)
IL12_30.TB.G8.D3_N: U1E.B23 U1F.AH3 | length 30.6
  S2(H) w0.102: v1(105.5,105.9) 105.5,105.664 105.899,105.265 105.899,105.001 105.901,104.999 105.901,104.935 106.136,104.7 110.299,104.7 110.701,104.298 110.701,100.935 110.935,100.701 111.264,100.701 111.501,100.464 111.501,100.135 111.735,99.901 112.432,99.901 114.642,97.691 115.747,97.691 115.748,97.69 116.441,97.69 117.354,96.777 120.759,96.777 121.335,96.201 125.3,96.201 125.302,96.199 125.665,96.199 125.899,95.965 125.899,95.636 126.136,95.4 126.464,95.4 126.699,95.165 126.699,95.001 126.701,94.999 126.701,94.601 127.1,94.202 v1(127.1,94.2)
  BOT w0.102: v1(105.5,105.9) U1E.B23@105.9,106.3 ; U1F.AH3@126.7,93.8 v1(127.1,94.2)
IL12_30.TB.G8.D3_P: U1E.A23 U1F.AG3 | length 30.4
  S2(H) w0.102: v1(104.7,105.9) 105.099,105.501 105.099,104.936 105.336,104.699 105.665,104.699 105.901,104.464 105.901,104.135 106.135,103.901 109.699,103.901 109.901,103.699 109.901,101.265 109.901,100.935 110.136,100.699 110.465,100.699 110.699,100.465 110.699,100.137 110.935,99.901 111.304,99.901 112.405,98.799 112.565,98.799 112.799,98.565 112.799,98.337 113.035,98.101 113.801,98.101 114.516,97.387 115.62,97.387 115.621,97.386 116.314,97.386 117.228,96.472 120.632,96.472 121.208,95.896 122.439,95.896 122.936,95.4 125.6,95.4 ; 125.601,95.399 125.665,95.399 125.901,95.164 125.901,94.835 126.3,94.436 v1(126.3,94.2)
  BOT w0.102: v1(104.7,105.9) U1E.A23@105.1,106.3 ; U1F.AG3@125.9,93.8 v1(126.3,94.2)